# Altium PCB MCU014B_D1.PcbDoc (part 1 of 5)
Units mil, origin at the board's own origin, x right, y up, seen from the top; angles counter-clockwise.
Board outline 2300.04 x 4058 mil, 4 copper layers (TOP, GND, PWR, BOTTOM), stack 48.84 mil thick; 371 components, 238 nets, 1148 pads, 688 vias.
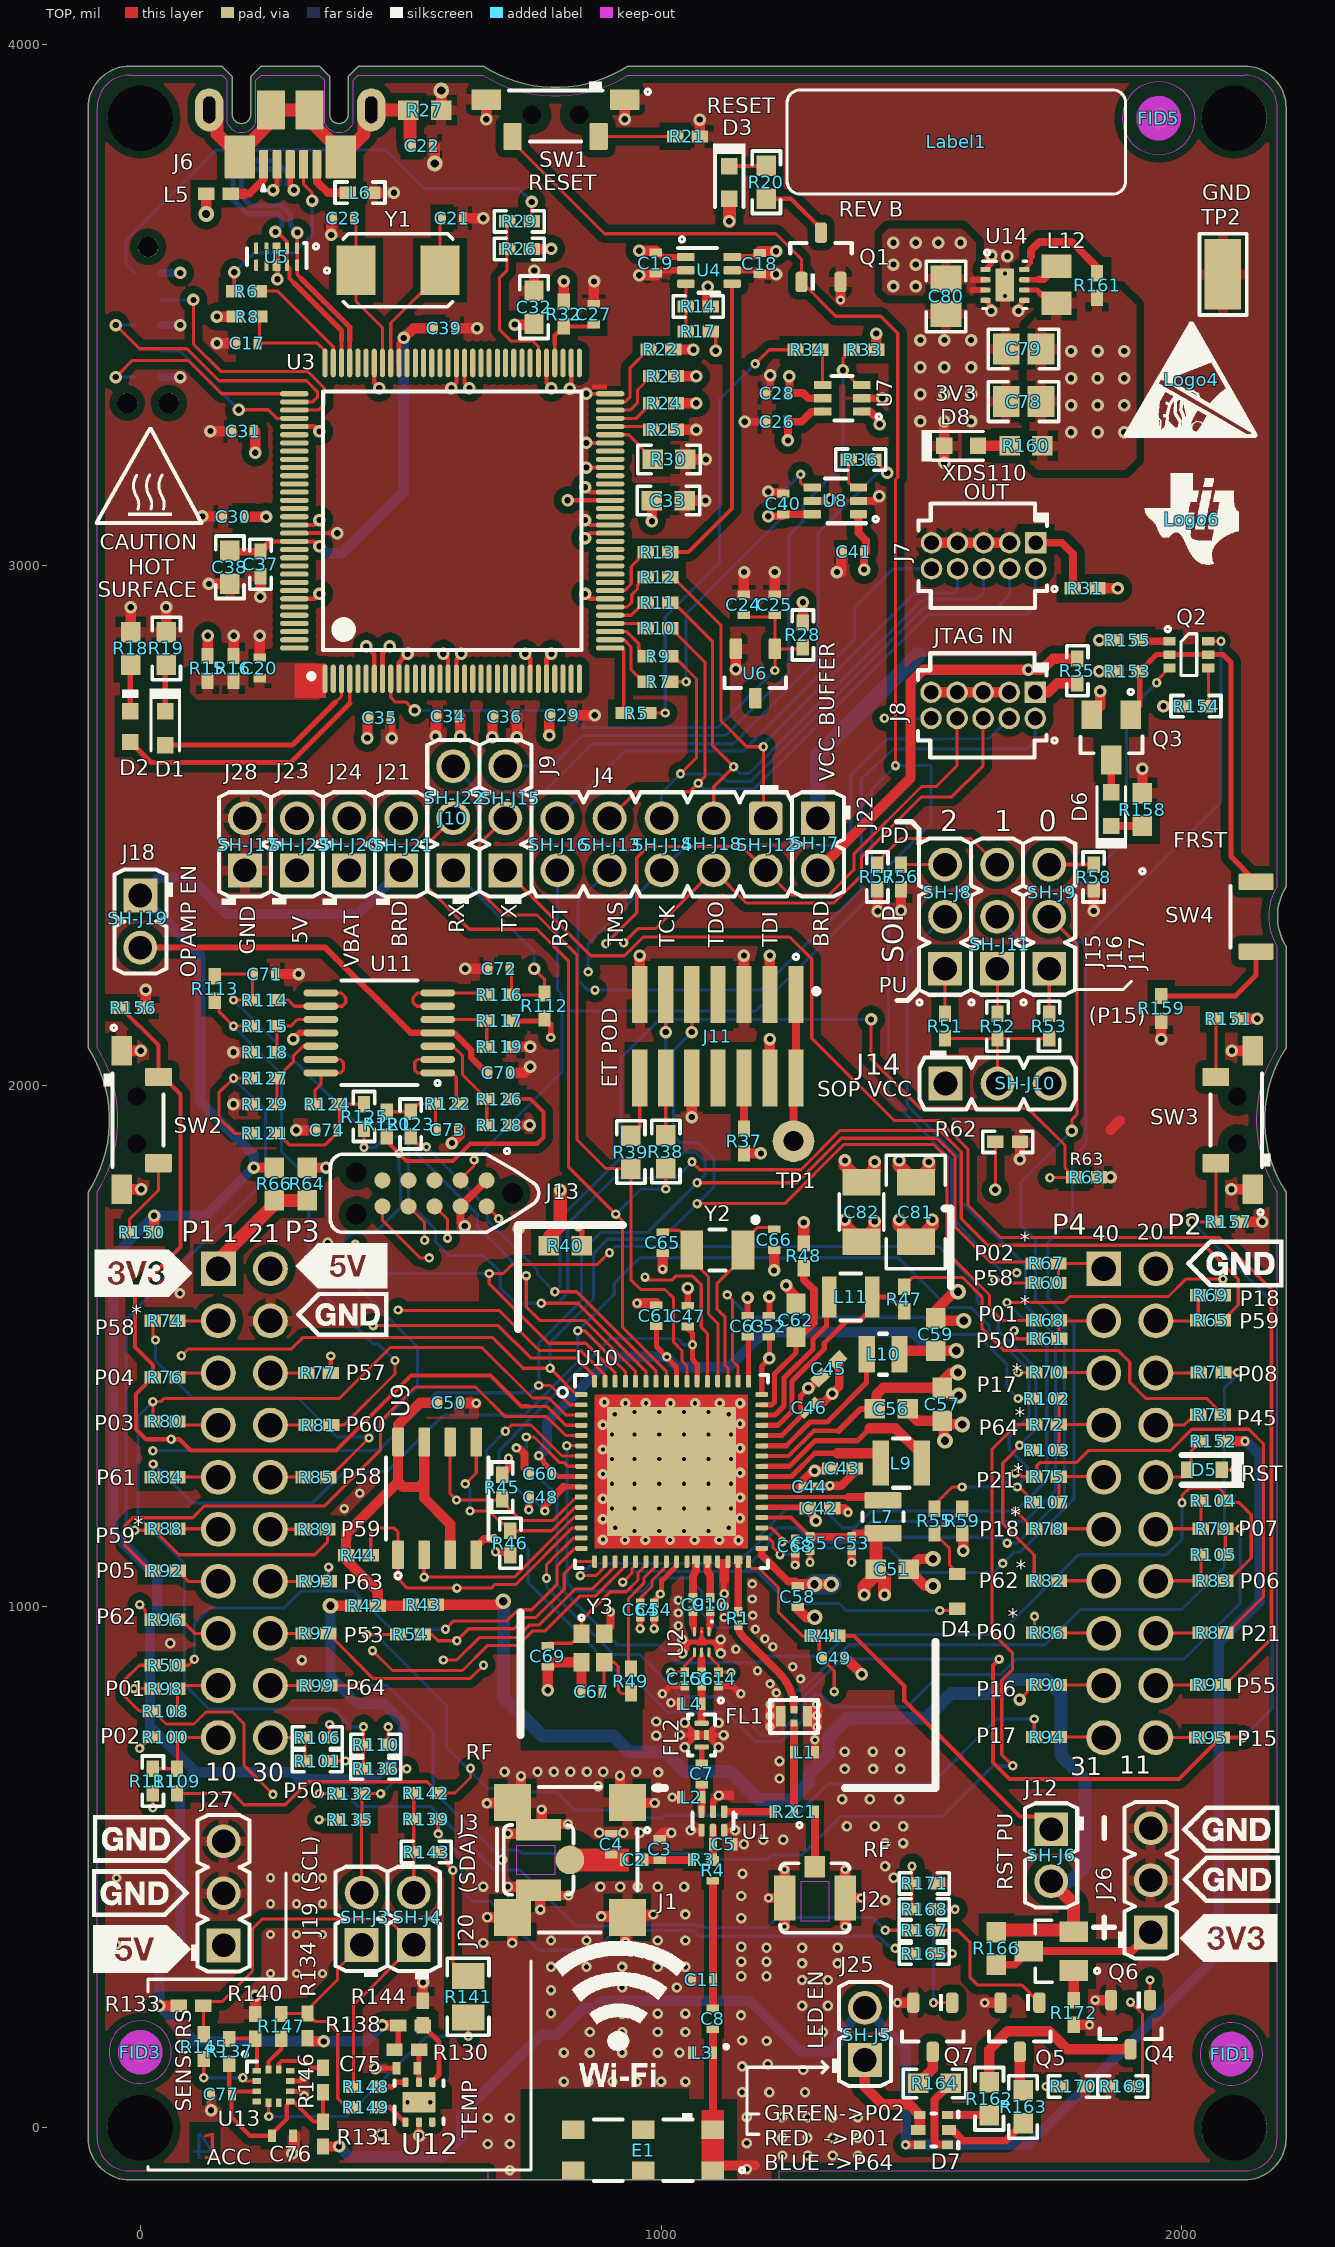
[diagram p0: TOP view]
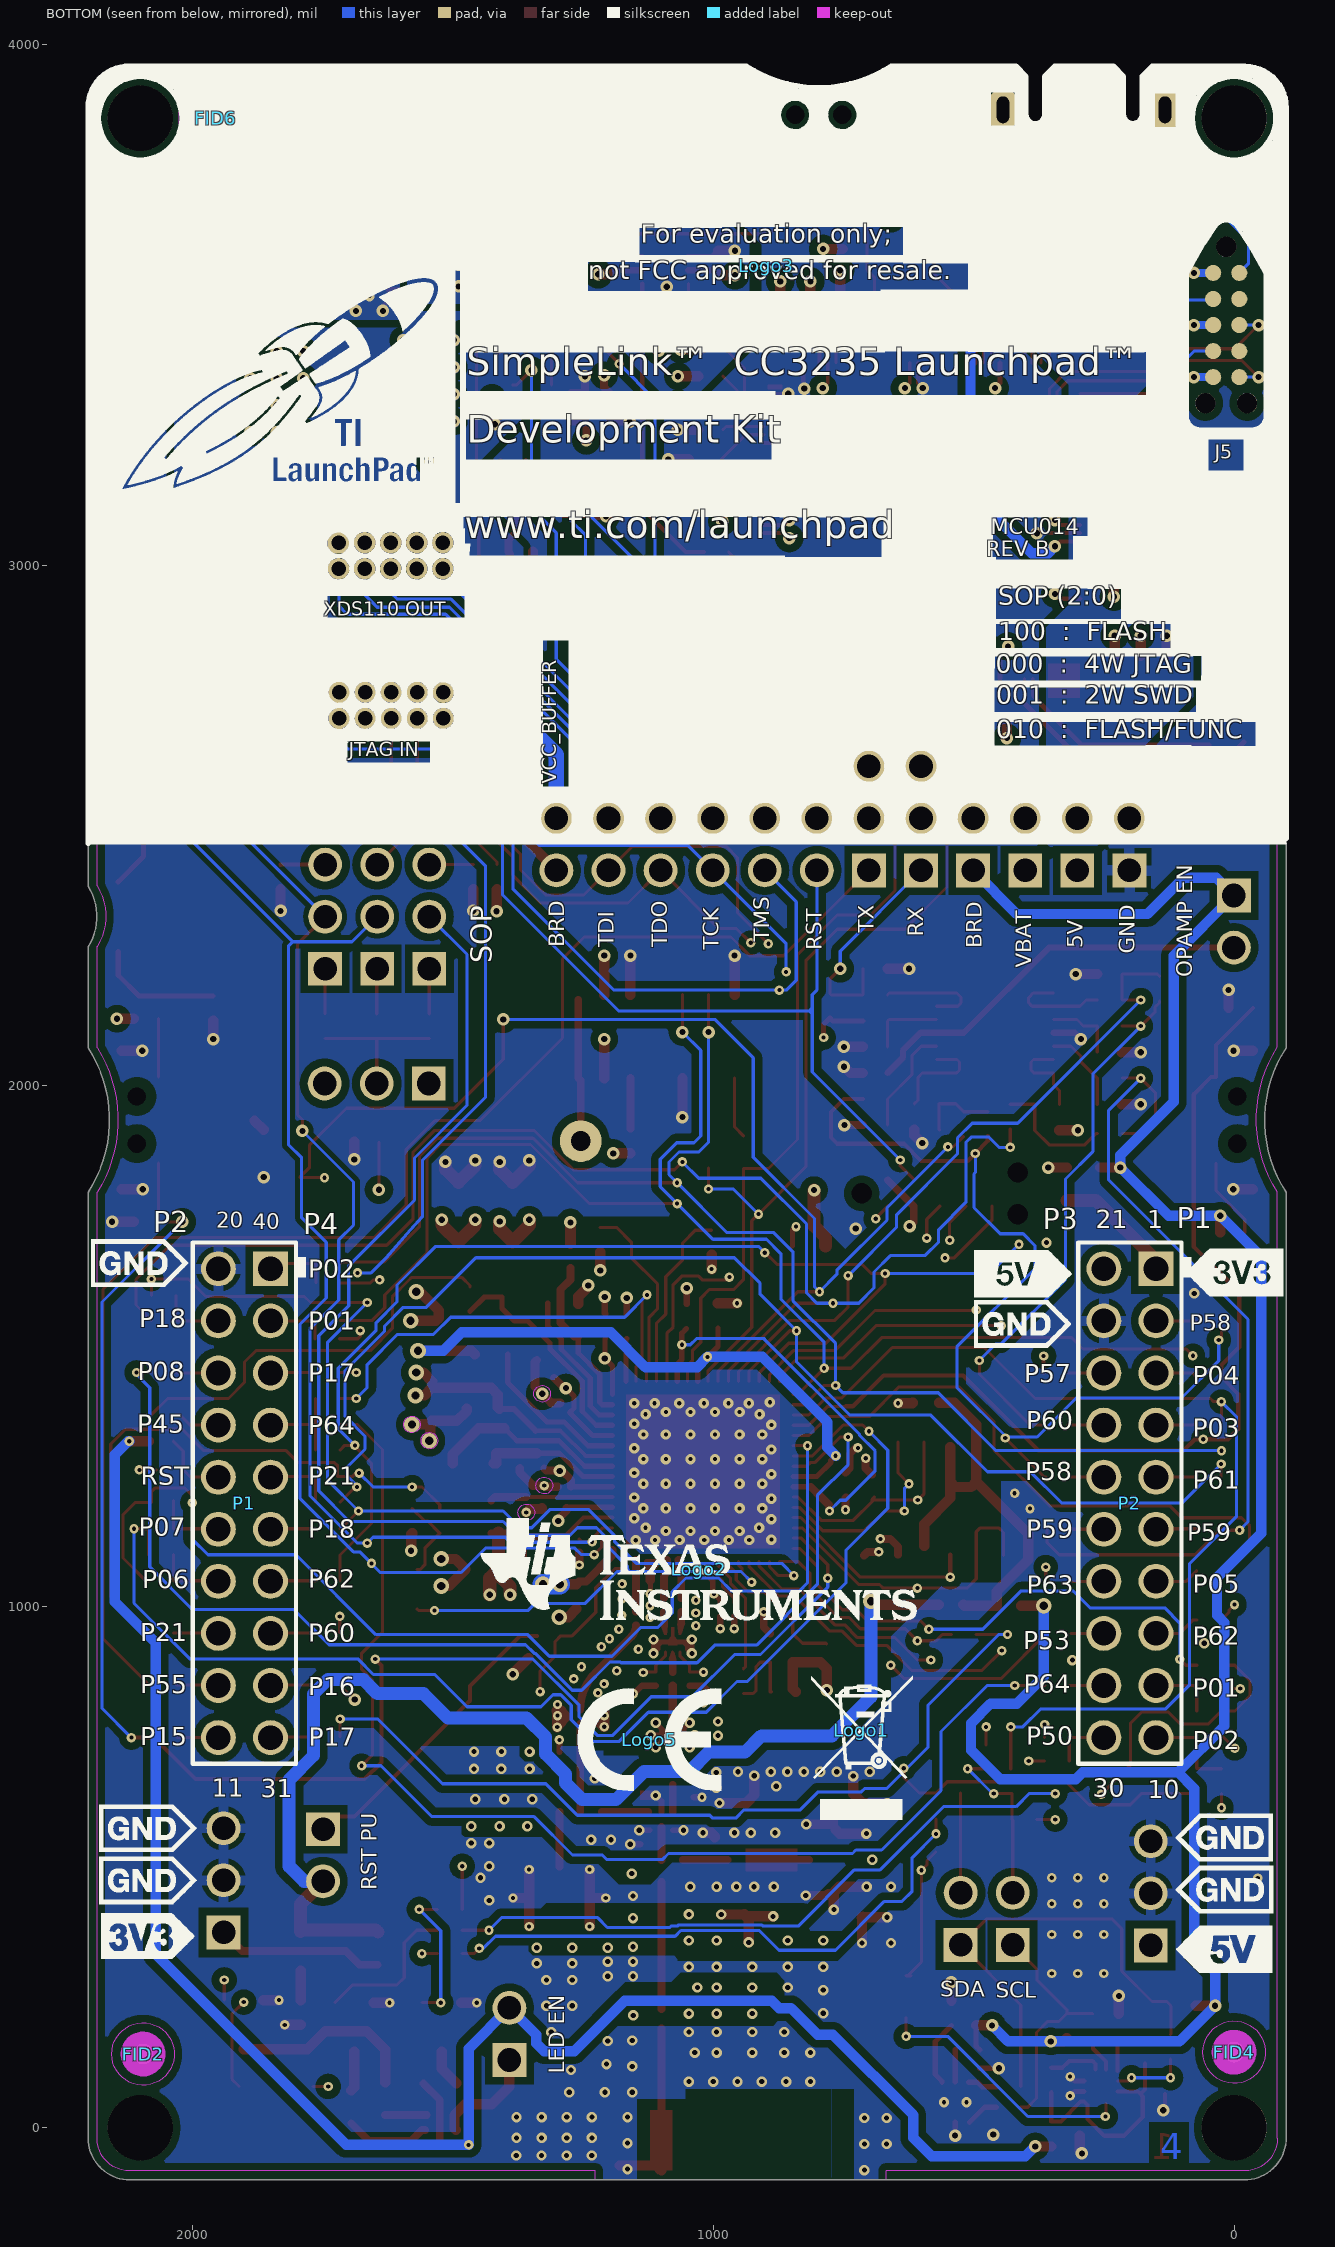
[diagram p1: BOTTOM view, seen from below]
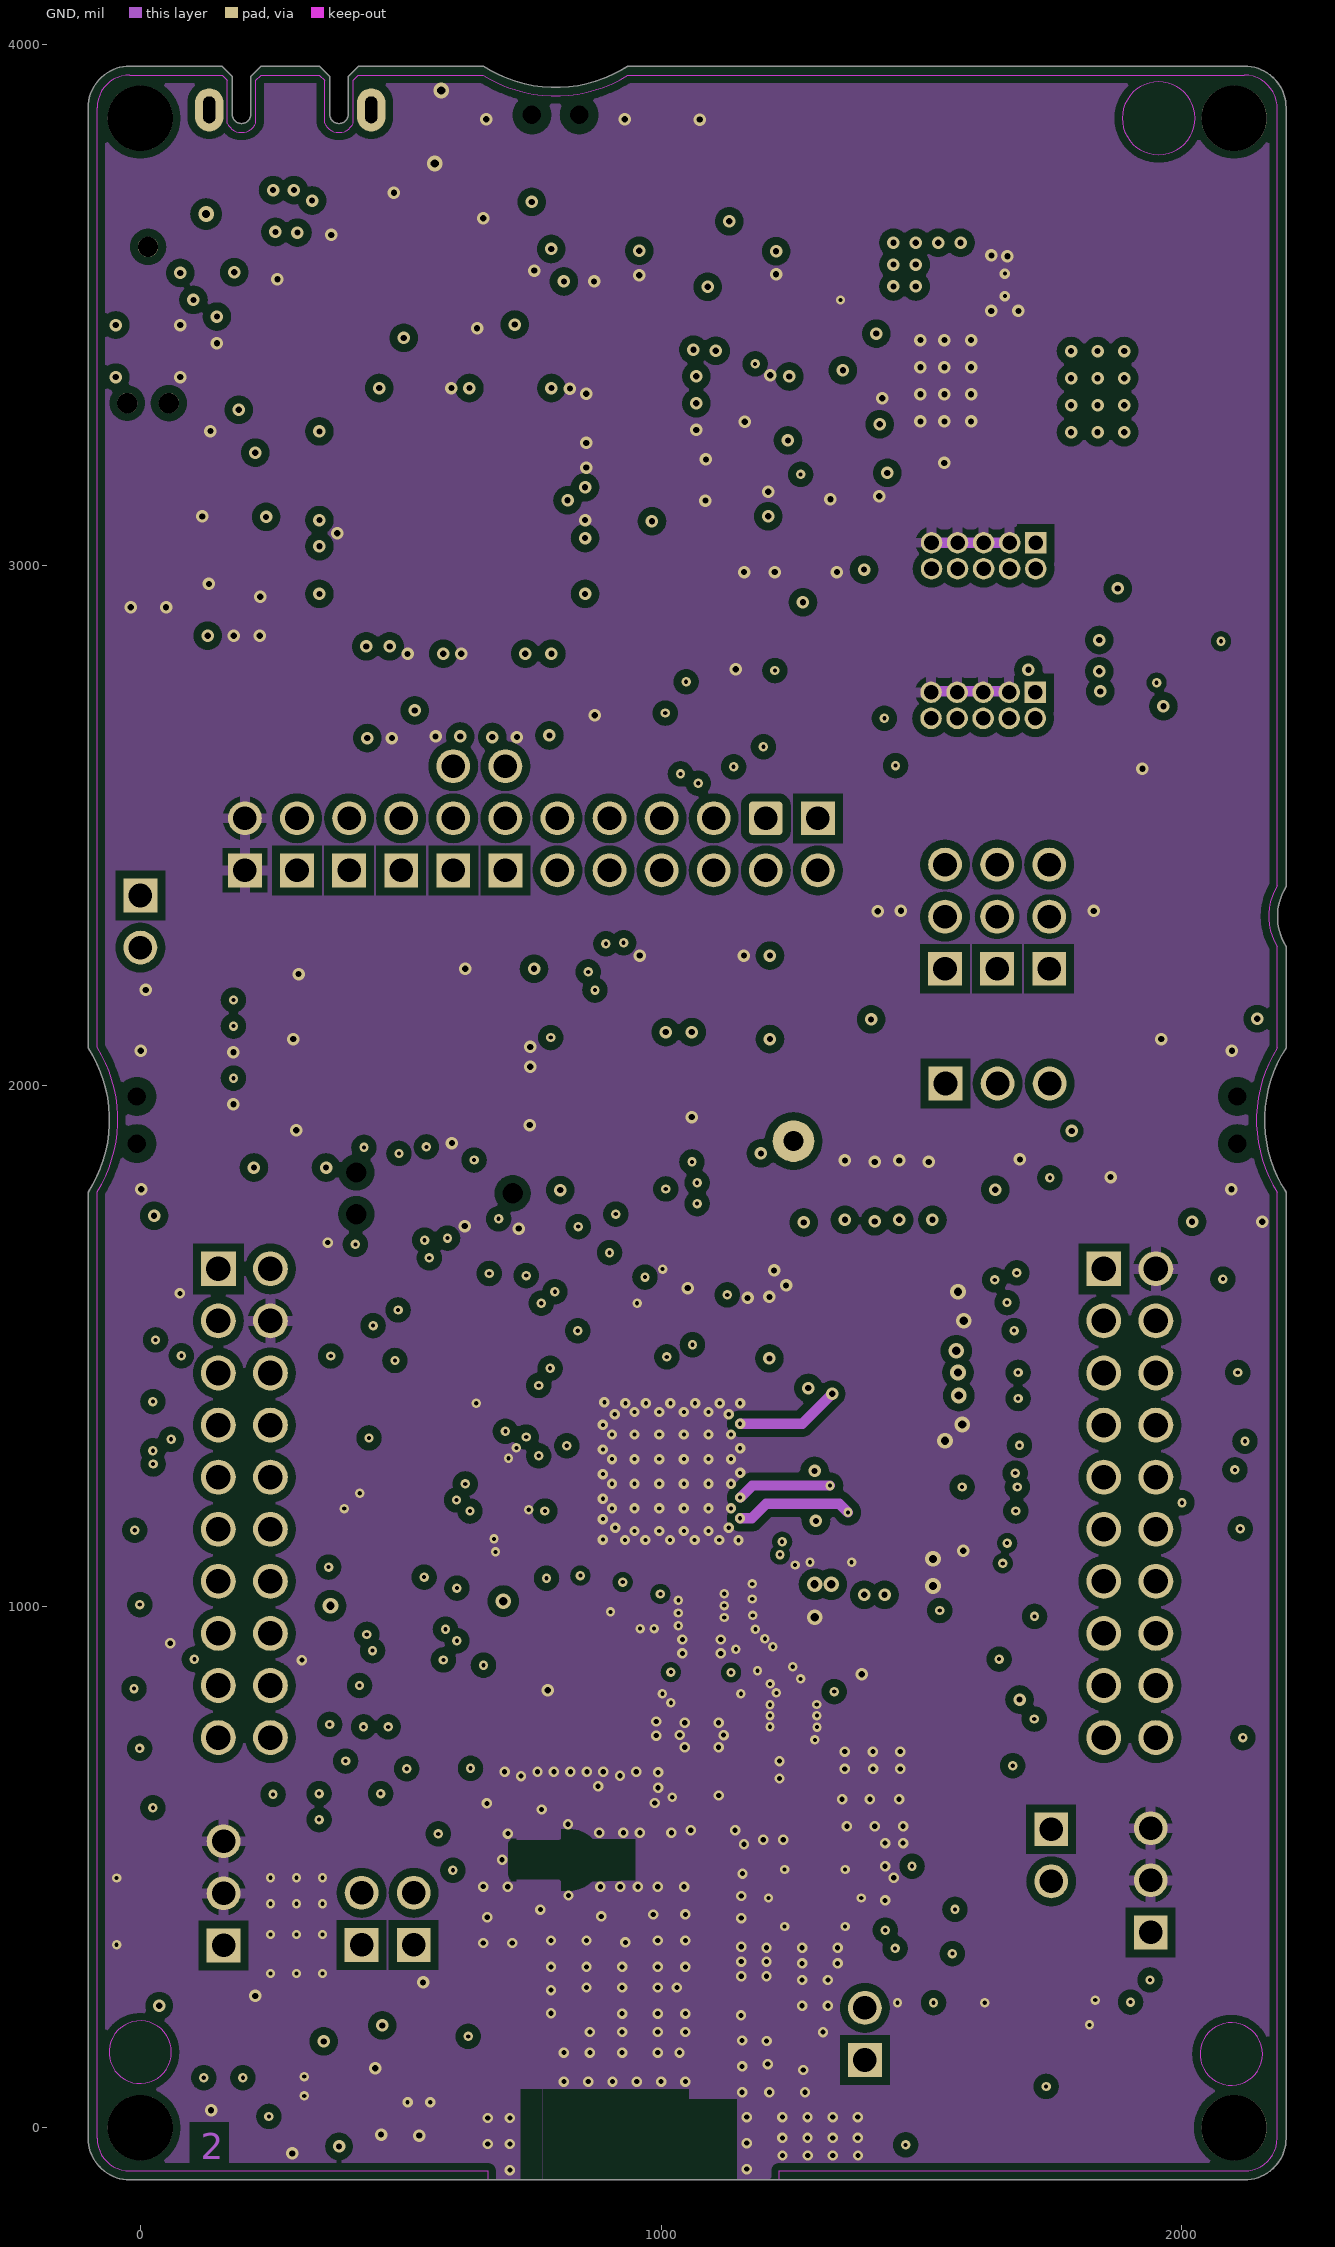
[diagram p2: GND]
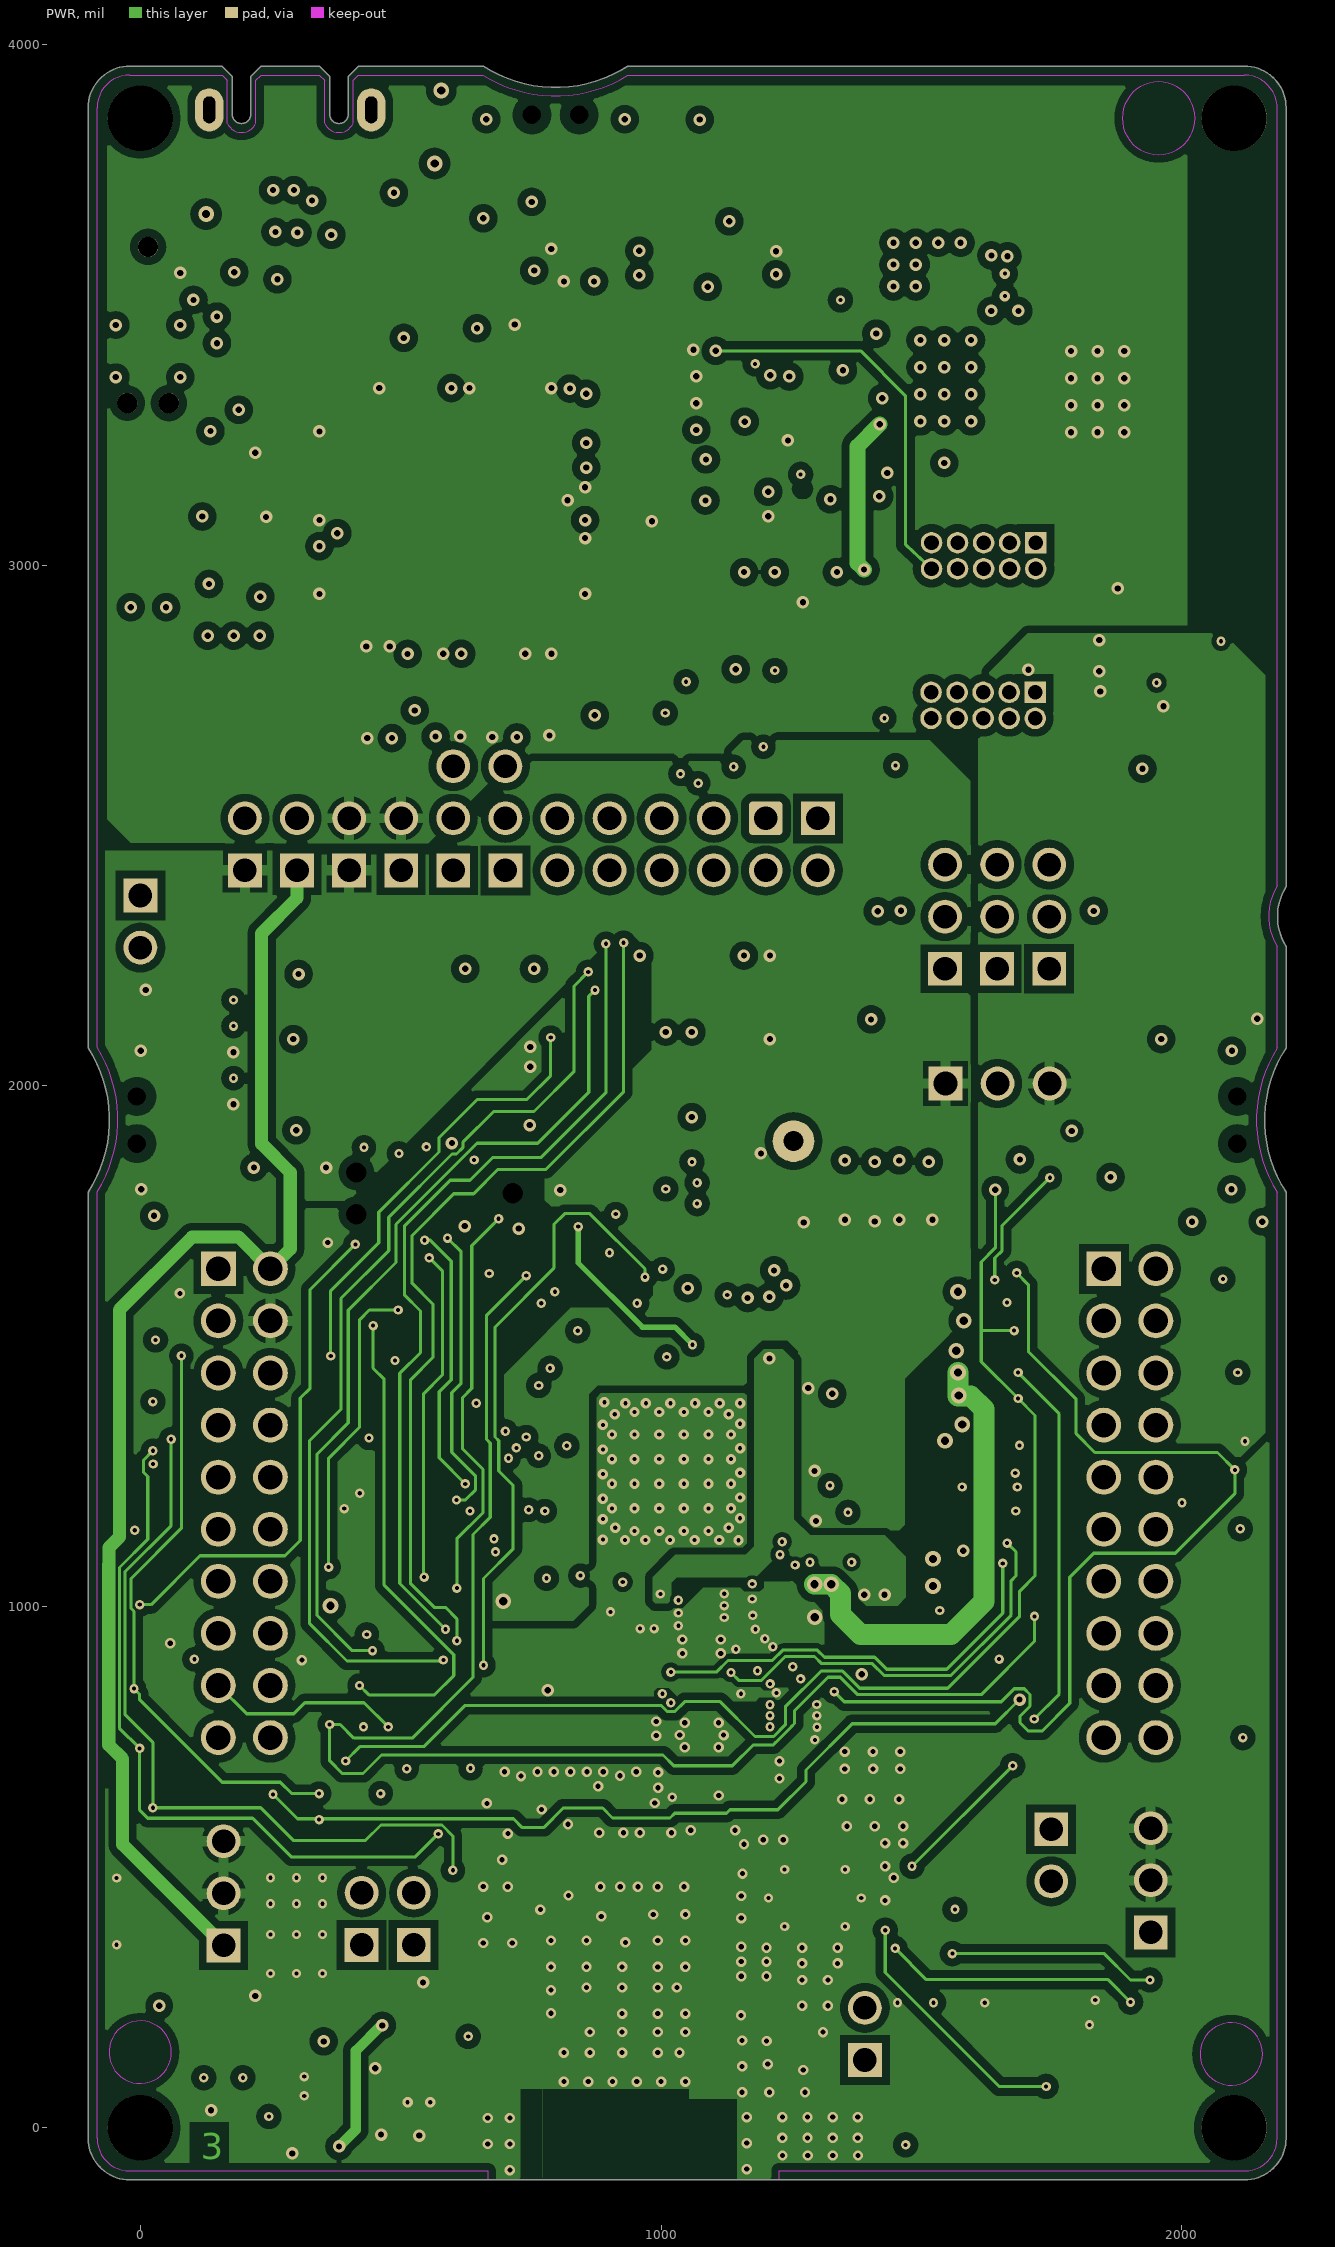
[diagram p3: PWR]

## Layer stack, top to bottom
Top Solder: solder mask 0.8, Solder Resist, Dk 4.1
TOP: signal copper 1.69
Dielectric1: core 9.3, FR-4 High Tg, Dk 3.9
GND: signal copper 1.42
Dielectric2: prepreg 24.02, FR-4 High Tg, Dk 4.24
PWR: signal copper 1.42
Dielectric3: core 9.3, FR-4 High Tg, Dk 3.9
BOTTOM: signal copper 1.69
Bottom Solder: solder mask 0.8, Solder Resist, Dk 4.1

## Board outline
-100,-20 -100,1796 ccw(c-313.24,1934.59) -100,2073.19 -100,3878 cw(c-20,3878) -20,3958 157.09,3958 176.78,3938.31 176.78,3865.48 ccw(c194.5,3865.48) 212.21,3865.48 212.21,3938.31 231.9,3958 344.1,3958 363.79,3938.31 363.79,3865.48 ccw(c381.5,3865.48) 399.22,3865.48 399.22,3938.31 418.91,3958 658.79,3958 ccw(c797.38,4171.24) 935.97,3958 2120,3958 cw(c2120,3878) 2200,3878 2200.01,2382.86 ccw(c2291.39,2325.29) 2200.04,2267.68 2200,2073.19 ccw(c2413.24,1934.59) 2200,1796 2200,-20 cw(c2120,-20) 2120,-100 -20,-100 cw(c-20,-20)

## Design rules (kind name [scope] priority, off if disabled: settings)
AssemblyTestPointUsage [All] p1 off:
Clearance Clearance_CPWG [InNetClass('RF_CPWG') vs inpoly] p1: gap=10 ignorepadtopadclearanceinfootprint=FALSE
Clearance Clearance_witinRoom1 [WithinRoom('Room1') and isvia vs InPoly] p2: gap=6 ignorepadtopadclearanceinfootprint=FALSE except(0: Arc-Hole Track-Hole SMDPad-Hole THPad-Hole Via-Hole Fill-Hole Poly-Hole Region-Hole Text-Hole)
Clearance Clearance_Via [WithinRoom('RoomVia') and IsVia vs InPoly and InNet('GND')] p3: gap=10 ignorepadtopadclearanceinfootprint=FALSE except(0: Arc-Hole Track-Hole SMDPad-Hole THPad-Hole Via-Hole Fill-Hole Poly-Hole Region-Hole Text-Hole)
Clearance Clearance_SMAPad [Inpoly vs ispad and InComponent('J1')] p4: gap=31.39 ignorepadtopadclearanceinfootprint=FALSE except(0: Arc-Hole Track-Hole SMDPad-Hole THPad-Hole Via-Hole Fill-Hole Poly-Hole Region-Hole Text-Hole)
Clearance Clearance_J1&J3 [InComponent('J1') vs InComponent('J3')] p5: gap=0 ignorepadtopadclearanceinfootprint=FALSE
Clearance Clearance_U3 [InComponent('U3') vs InComponent('U3')] p6: gap=4.8 ignorepadtopadclearanceinfootprint=FALSE except(0: Arc-Hole Track-Hole SMDPad-Hole THPad-Hole Via-Hole Fill-Hole Poly-Hole Region-Hole Text-Hole)
Clearance Clearance_Room2 [WithinRoom('Room_2')] p7: gap=4 ignorepadtopadclearanceinfootprint=FALSE except(0: Arc-Hole Track-Hole SMDPad-Hole THPad-Hole Via-Hole Fill-Hole Poly-Hole Region-Hole Text-Hole)
Clearance Clearance_GPIO_26&27 [(InNet('P30_GPIO_27') OR InNet('P29_GPIO_26')) AND Isvia and WithinRoom('Room1') vs inpoly and (OnLayer('gnd') or OnLayer('pwr'))] p8: gap=6 ignorepadtopadclearanceinfootprint=FALSE except(0: Arc-Hole Track-Hole SMDPad-Hole THPad-Hole Via-Hole Fill-Hole Poly-Hole Region-Hole Text-Hole)
Clearance Clearance_NetC69_1 [InNet('NetC69_1') or InNet('NetC65_1') or InNet('SOP0') or InNet('SOP1') vs InPoly] p9: gap=10 ignorepadtopadclearanceinfootprint=FALSE except(0: Arc-Hole Track-Hole SMDPad-Hole THPad-Hole Via-Hole Fill-Hole Poly-Hole Region-Hole Text-Hole)
Clearance Clearance_MH [InPadClass('MH') vs InPoly] p10: gap=20 ignorepadtopadclearanceinfootprint=FALSE except(0: Arc-Hole Track-Hole SMDPad-Hole THPad-Hole Via-Hole Fill-Hole Poly-Hole Region-Hole Text-Hole)
Clearance Clearance_U14 [InComponent('U14') vs InComponent('U14')] p11: gap=4.8 ignorepadtopadclearanceinfootprint=FALSE except(0: Arc-Hole Track-Hole SMDPad-Hole THPad-Hole Via-Hole Fill-Hole Poly-Hole Region-Hole Text-Hole)
Clearance Clearance_10 [InNetClass('Impedance') vs Inpoly] p12: gap=30 ignorepadtopadclearanceinfootprint=FALSE except(0: Arc-Hole Track-Hole SMDPad-Hole THPad-Hole Via-Hole Fill-Hole Poly-Hole Region-Hole Text-Hole)
Clearance Clearance_Exposed [OnLayer('Keep-Out Layer') vs InComponentClass('Expose')] p13: gap=0 ignorepadtopadclearanceinfootprint=FALSE
Clearance Clearance_Antenna [InComponent('E1') and IsKeepOut vs InPoly] p14: gap=0 ignorepadtopadclearanceinfootprint=FALSE
Clearance Clearance_8 [InPadClass('u1') vs istrack] p15: gap=5.9 ignorepadtopadclearanceinfootprint=FALSE except(0: Arc-Hole Track-Hole SMDPad-Hole THPad-Hole Via-Hole Fill-Hole Poly-Hole Region-Hole Text-Hole)
Clearance Clearance_7 [InPadClass('u1') vs InPadClass('u1')] p16: gap=5.9 ignorepadtopadclearanceinfootprint=FALSE except(0: Arc-Hole Track-Hole SMDPad-Hole THPad-Hole Via-Hole Fill-Hole Poly-Hole Region-Hole Text-Hole)
Clearance Clearance_6 [InNet('NetC49_2') vs InPolygon] p17: gap=15 ignorepadtopadclearanceinfootprint=FALSE except(0: Arc-Hole Track-Hole SMDPad-Hole THPad-Hole Via-Hole Fill-Hole Poly-Hole Region-Hole Text-Hole)
Clearance Clearance_5 [InNet('NetC49_1') vs InPolygon] p18: gap=15 ignorepadtopadclearanceinfootprint=FALSE except(0: Arc-Hole Track-Hole SMDPad-Hole THPad-Hole Via-Hole Fill-Hole Poly-Hole Region-Hole Text-Hole)
Clearance Clearance_4 [InNet('NetFL1_3') vs InPolygon] p19: gap=15 ignorepadtopadclearanceinfootprint=FALSE except(0: Arc-Hole Track-Hole SMDPad-Hole THPad-Hole Via-Hole Fill-Hole Poly-Hole Region-Hole Text-Hole)
Clearance Clearance_3 [InNet('NetFL1_1') vs InPolygon] p20: gap=15 ignorepadtopadclearanceinfootprint=FALSE except(0: Arc-Hole Track-Hole SMDPad-Hole THPad-Hole Via-Hole Fill-Hole Poly-Hole Region-Hole Text-Hole)
Clearance Clearance_2 [InNet('NetJ24_2') vs InPolygon] p21: gap=15 ignorepadtopadclearanceinfootprint=FALSE except(0: Arc-Hole Track-Hole SMDPad-Hole THPad-Hole Via-Hole Fill-Hole Poly-Hole Region-Hole Text-Hole)
Clearance Clearance_PAD [IsPad vs IsVia] p22: gap=8 ignorepadtopadclearanceinfootprint=FALSE except(0: Arc-Hole Track-Hole SMDPad-Hole THPad-Hole Via-Hole Fill-Hole Poly-Hole Region-Hole Text-Hole)
Clearance Clearance_net1 [InNet('NetJ24_1') vs InPolygon] p23: gap=15 ignorepadtopadclearanceinfootprint=FALSE except(0: Arc-Hole Track-Hole SMDPad-Hole THPad-Hole Via-Hole Fill-Hole Poly-Hole Region-Hole Text-Hole)
Clearance Clearance_Pad_class [InPadClass('Pad To Pad') vs IsPad] p24: gap=7.7 ignorepadtopadclearanceinfootprint=FALSE except(0: Arc-Hole Track-Hole SMDPad-Hole THPad-Hole Via-Hole Fill-Hole Poly-Hole Region-Hole Text-Hole)
Clearance Clearance_Pad_class_1 [InComponent('FID1') or              InComponent('FID2') or  InComponent('FID3') or        InComponent('FID4') or              InComponent('FID5') or  InComponent('FID6') vs IsKeepOut] p25: gap=0 ignorepadtopadclearanceinfootprint=FALSE except(7.7: Arc-Arc Arc-Track Track-Track)
Clearance Clearance_Poly_Poly [InPolygon vs InPolygon] p26: gap=15 ignorepadtopadclearanceinfootprint=FALSE except(0: Arc-Hole Track-Hole SMDPad-Hole THPad-Hole Via-Hole Fill-Hole Poly-Hole Region-Hole Text-Hole)
Clearance Clearance_VDD_ANA [inpoly and innet('VDD_ANA') and OnLayer('PWR') vs IsVia] p27: gap=8 ignorepadtopadclearanceinfootprint=FALSE except(0: Arc-Hole Track-Hole SMDPad-Hole THPad-Hole Via-Hole Fill-Hole Poly-Hole Region-Hole Text-Hole)
Clearance Clearance_Poly_Others [InPolygon] p28: gap=15 ignorepadtopadclearanceinfootprint=FALSE except(0: Arc-Hole Track-Hole SMDPad-Hole THPad-Hole Via-Hole Fill-Hole Poly-Hole Region-Hole Text-Hole)
Clearance Clearance_1 [iskeepout] p29: gap=1 ignorepadtopadclearanceinfootprint=FALSE except(0: Arc-Hole Track-Hole SMDPad-Hole THPad-Hole Via-Hole Fill-Hole Poly-Hole Region-Hole Text-Hole)
Clearance Clearance_9 [InNet('XDSET_DP') vs InNet('XDSET_DM')] p30: gap=6 ignorepadtopadclearanceinfootprint=FALSE except(0: Arc-Hole Track-Hole SMDPad-Hole THPad-Hole Via-Hole Fill-Hole Poly-Hole Region-Hole Text-Hole)
Clearance [All] p31: gap=3.5 ignorepadtopadclearanceinfootprint=FALSE
ComponentClearance ComponentClearance_Shunt [HasFootprint('Wurth_60900213421')] p1: gap=0 collisioncheckmode=3 verticalgap=0 showdistances=FALSE
ComponentClearance ComponentClearance_Overlap [InComponentClass('Overlap') vs InComponentClass('Overlap')] p2: gap=0 collisioncheckmode=3 verticalgap=0 showdistances=FALSE
ComponentClearance ComponentClearance_SMA&UFL [InComponent('J1') vs InComponent('J3')] p3: gap=0 collisioncheckmode=3 verticalgap=0 showdistances=FALSE
ComponentClearance ComponentClearance_C7_R168 [InComponent('C7') vs InComponent('R168')] p4: gap=0 collisioncheckmode=3 verticalgap=0 showdistances=FALSE
ComponentClearance ComponentClearance_R3_R170 [InComponent('R3') vs InComponent('R4')] p5: gap=0 collisioncheckmode=3 verticalgap=0 showdistances=FALSE
ComponentClearance [All] p6: gap=3.5 collisioncheckmode=3 verticalgap=3.5 showdistances=FALSE
DiffPairsRouting [All] p1: maxlimit=10 minlimit=6 mostfreqgap=6 toplayer_minwidth=8 toplayer_maxwidth=15 toplayer_prefwidth=10 midlayer1_minwidth=8 midlayer1_maxwidth=15 midlayer1_prefwidth=10 midlayer2_minwidth=8 midlayer2_maxwidth=15 midlayer2_prefwidth=10 bottomlayer_minwidth=8 bottomlayer_maxwidth=15 bottomlayer_prefwidth=10 maxuncoupledlength=500
FabricationTestPointUsage [All] p1 off: valid=0 allowmultiple=FALSE
FabricationTestpoint [All] p1 off: side=3 testpointundercomponent=TRUE minsize=40 maxsize=100 preferedsize=60 minholesize=0 maxholesize=40 preferedholesize=32 testpointgrid=1 allowsidetop=TRUE allowsidebottom=TRUE usegrid=TRUE gridtolerance=0.01
Height [All] p1: minheight=0 maxheight=1300 prefheight=500
HoleSize [All] p1: absolutevalues=TRUE maxlimit=125 minlimit=5.9 maxpercent=80.000 minpercent=20.000
MinimumAnnularRing [All] p1: minimumring=4
MinimumSolderMaskSliver [All] p1: minsoldermaskwidth=3
PlaneClearance [All] p1: clearance=8
PlaneConnect PlaneConnect_1 [All] p1: planeconnectstyle=Direct reliefexpansion=20 reliefentries=4 reliefconductorwidth=10 reliefairgap=10
PolygonConnect PolygonConnect_1 [isvia] p1: connectstyle=Direct reliefconductorwidth=10 reliefentries=4 polygonreliefangle="90 Angle" airgapwidth=10
PolygonConnect [InComponentClass('CC3200Gen3_AntennaRFSection') or InPadClass('direct connect')] p2: connectstyle=Direct reliefconductorwidth=10 reliefentries=4 polygonreliefangle="90 Angle" airgapwidth=10
PolygonConnect PolygonConnect_SMD [All] p3: connectstyle=Relief reliefconductorwidth=20 reliefentries=4 polygonreliefangle="90 Angle" airgapwidth=10
RoomDefinition RoomVia [InComponentClass('Components Class 1')] p1: confinementstyle=ConfineIn formatcopy=TRUE lockcomponents=FALSE outline 834.49,1100.65 1180.32,1100.65 1180.32,856.05 834.49,856.05
RoutingVias [All] p1: holewidth=8 width=18 viastyle="Through Hole" minholewidth=7.8 minwidth=12 maxholewidth=28 maxwidth=50
ShortCircuit ShortCircuit_1 [InPadClass('FID')] p1: allowed=TRUE
ShortCircuit [All] p2: allowed=FALSE
SilkToSilkClearance SilkToSilkClearance_Fill [IsObjectKind('Fill')] p1: silktosilkclearance=0
SilkToSilkClearance SilkToSilkClearance_pb-logo [(HasFootprint('Pb-Free_Overlay_Medium') OR HasFootprint('Pb-Free_Overlay_Small')) vs (HasFootprint('Pb-Free_Overlay_Medium') OR HasFootprint('Pb-Free_Overlay_Small'))] p2: silktosilkclearance=0
SilkToSilkClearance SilkToSilkClearance_invert [IsObjectKind('Text')] p3: silktosilkclearance=0
SilkToSilkClearance [All] p4: silktosilkclearance=3
SilkToSolderMaskClearance SilkToSolderMaskClearance_4 [InComponent('P2')] p1: minsilkscreentomaskgap=0 clearancetoexposedcopper=TRUE
SilkToSolderMaskClearance SilkToSolderMaskClearance_3 [OnLayer('Bottom Silkscreen')] p2: minsilkscreentomaskgap=0 clearancetoexposedcopper=TRUE
SilkToSolderMaskClearance SilkToSolderMaskClearance_1 [InComponent('J1') or InComponent('J3')] p3: minsilkscreentomaskgap=1 clearancetoexposedcopper=TRUE
SilkToSolderMaskClearance SilkToSolderMaskClearance_2 [InComponent('J7') or InComponent('J11') or  InComponent('J9') or InComponent('J8') or  InComponent('J24') or InComponent('J26') or InComponent('J25') or InComponent('J23') or InComponent('FID5') or InComponent('FID6')  or InComponent('J6') or InComponent('J4') or  InComponent('J29')] p4: minsilkscreentomaskgap=0 clearancetoexposedcopper=TRUE
SilkToSolderMaskClearance [IsPad] p5: minsilkscreentomaskgap=3 clearancetoexposedcopper=FALSE